# Altium PCB STM32F207VC.PcbDoc (part 2 of 16)
Units mm, origin at the board's own origin, x right, y up, seen from the top; angles counter-clockwise.
Board outline 99.19 x 99.95 mm, 2 copper layers (Top Layer, Bottom Layer); 127 components, 125 nets, 570 pads, 172 vias.
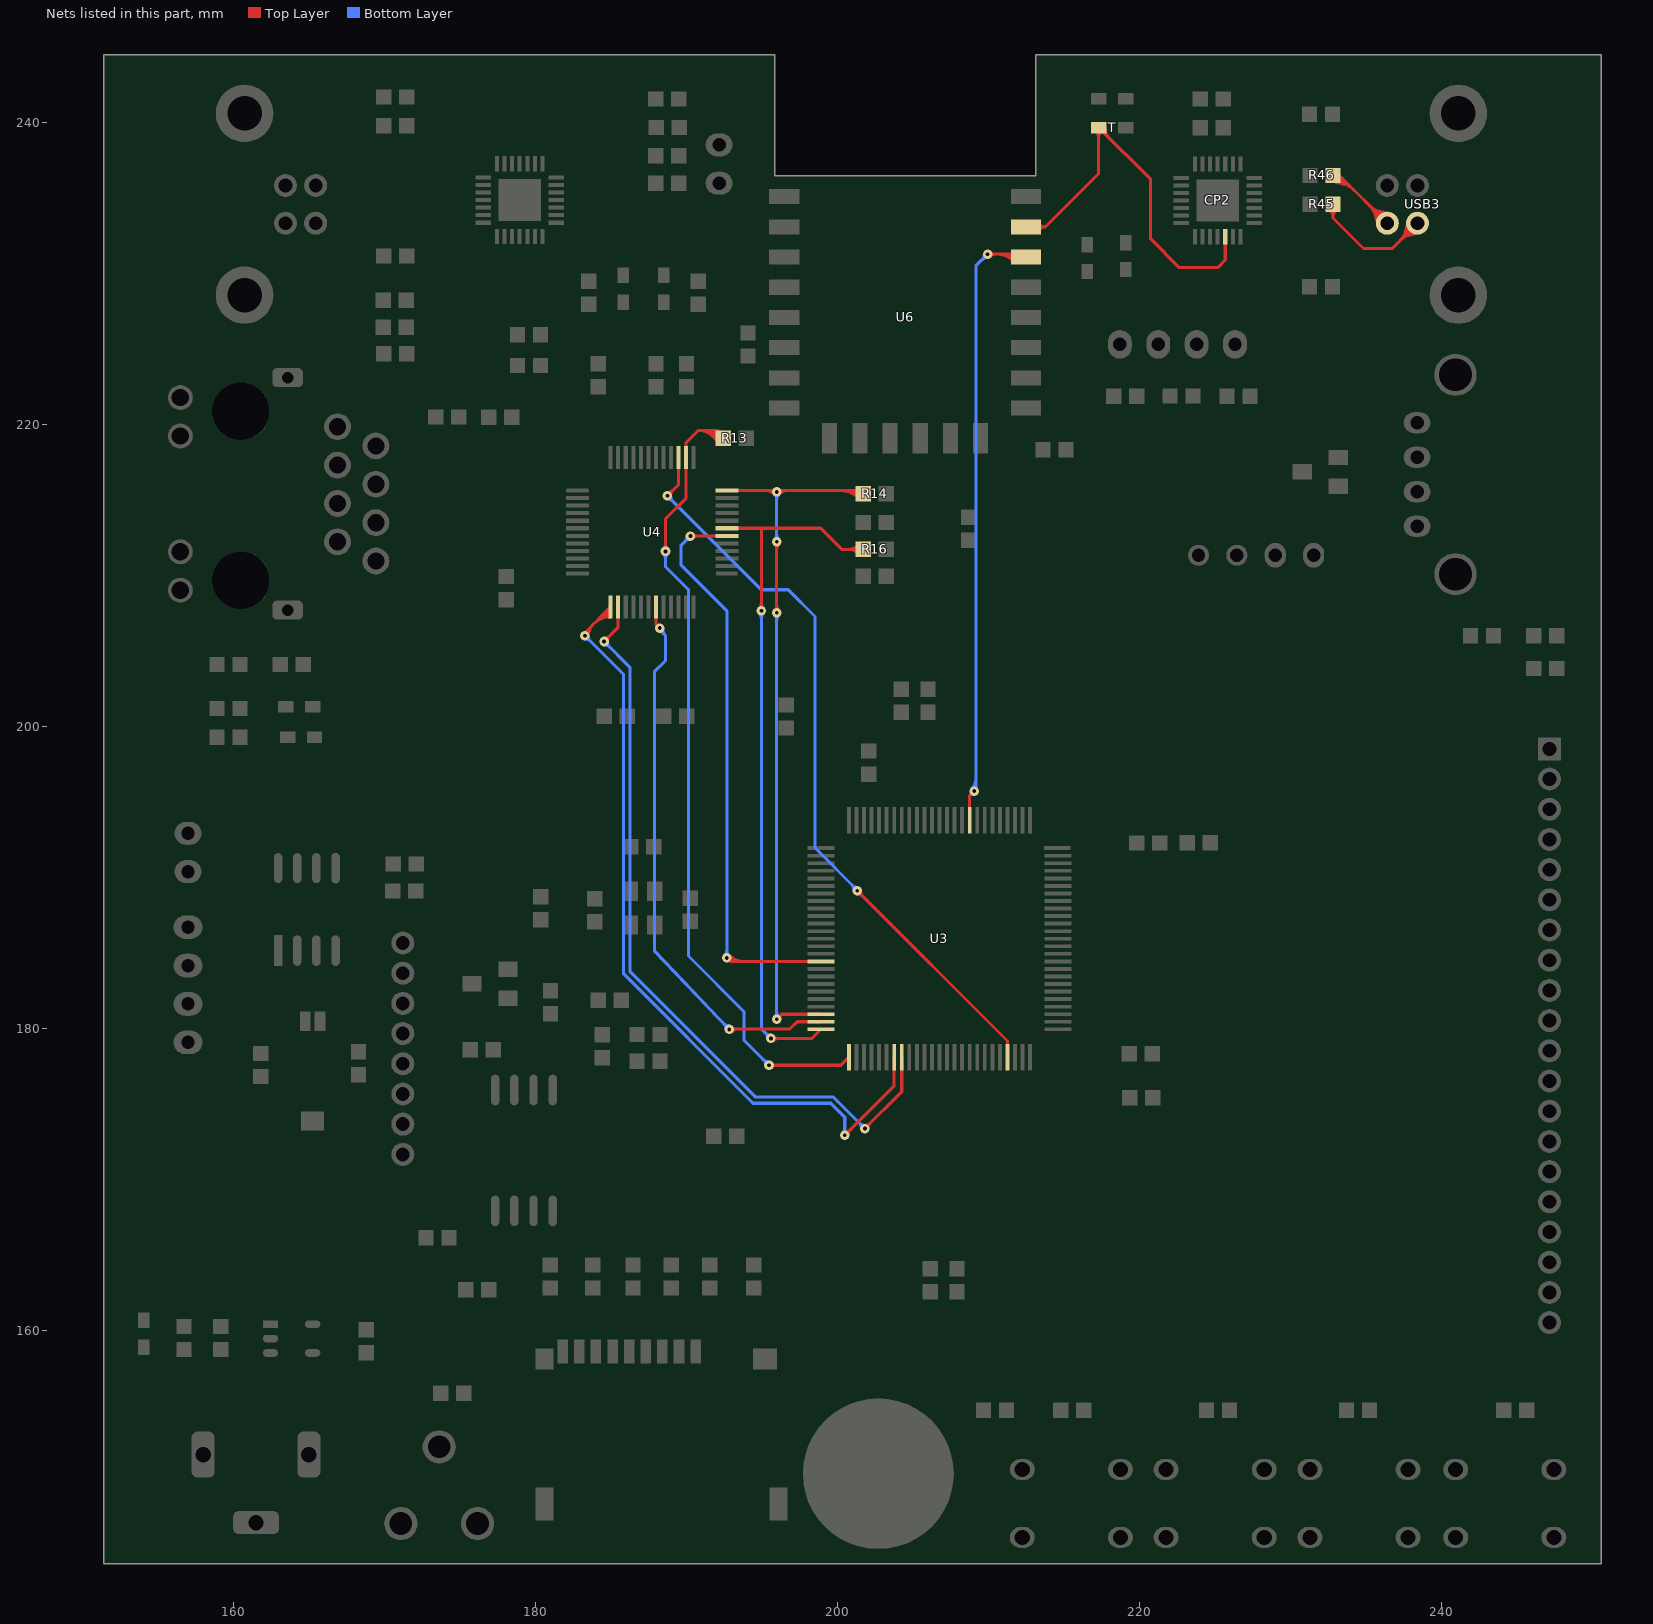
[diagram p2: the nets of this part, all layers, seen from the top]

## Via types
v1: diameter 0.635, hole 0.254, Top Layer to Bottom Layer, tented both sides, 152 vias
v2: diameter 0.635, hole 0.406, Top Layer to Bottom Layer, 18 vias
v3: diameter 1, hole 1, Top Layer to Bottom Layer, 2 vias

## Nets (pads, with @x,y where several pads share a name; then routed paths per layer and width w, separated by ;. In a path a pad name is that pad's centre, name@x,y a point inside that pad or via, vN(x,y) a via of type N, cw(c..) or ccw(c..) an arc to the next point about the centre after c; other vN are vias at no path point) (continued)
ESP_SPI_MCU_2: U3.84 U6.20 | length 64.7
  Top Layer w0.203: U3.84@208.745,193.778 208.745,195.41 ; v1(209.042,195.707) 208.745,195.41 ; v1(209.931,231.267) 212.278,231.267 U6.20@212.471,231.074 ; 208.745,195.41 cw(c208.958,195.197) v1@209.007,195.494 ; 208.745,195.41 ccw(c208.532,195.623) v1@208.829,195.672 ; 208.745,195.41 cw(c208.958,195.197) v1@209.007,195.494 ; 208.745,195.41 ccw(c208.532,195.623) v1@208.829,195.672 ; 208.745,195.41 ccw(c208.532,195.623) v1@208.829,195.672 ; 208.745,195.41 cw(c208.958,195.197) v1@209.007,195.494 ; 208.745,195.41 ccw(c208.532,195.623) v1@208.829,195.672 ; 208.745,195.41 cw(c208.958,195.197) v1@209.007,195.494 ; v1@210.084,231.114 cw(c210.452,230.746) 210.452,231.267 ; v1@210.084,231.114 cw(c210.452,230.746) 210.452,231.267 ; v1@210.084,231.114 cw(c210.452,230.746) 210.452,231.267 ; v1@210.084,231.114 cw(c210.452,230.746) 210.452,231.267 ; v1@210.084,231.42 ccw(c210.452,231.788) 210.452,231.267 ; v1@210.084,231.42 ccw(c210.452,231.788) 210.452,231.267 ; v1@210.084,231.42 ccw(c210.452,231.788) 210.452,231.267 ; v1@210.084,231.42 ccw(c210.452,231.788) 210.452,231.267 ; 210.543,231.267 cw(c210.543,229.646) U6.20@211.689,230.792 ; 210.543,231.267 cw(c210.543,229.646) U6.20@211.689,230.792 ; 210.543,231.267 cw(c210.543,229.646) U6.20@211.689,230.792 ; 210.543,231.267 cw(c210.543,229.646) U6.20@211.689,230.792 ; 211.033,231.267 cw(c211.033,230.137) U6.20@211.833,230.936 ; 211.033,231.267 cw(c211.033,230.137) U6.20@211.833,230.936 ; 211.033,231.267 cw(c211.033,230.137) U6.20@211.833,230.936 ; 211.033,231.267 cw(c211.033,230.137) U6.20@211.833,230.936 ; 211.438,231.164 cw(c211.279,230.889) U6.20@211.586,230.971 ; 211.438,231.164 cw(c211.279,230.889) U6.20@211.586,230.971 ; 211.438,231.164 cw(c211.279,230.889) U6.20@211.586,230.971 ; 211.438,231.164 cw(c211.279,230.889) U6.20@211.586,230.971 ; 211.438,231.164 cw(c211.279,230.889) U6.20@211.586,230.971 ; 211.438,231.164 cw(c211.279,230.889) U6.20@211.586,230.971 ; U6.20@211.475,231.267 ccw(c211.475,231.57) U6.20@211.689,231.356 ; U6.20@211.475,231.267 ccw(c211.475,231.57) U6.20@211.689,231.356 ; U6.20@211.475,231.267 ccw(c211.475,231.57) U6.20@211.689,231.356 ; U6.20@211.475,231.267 ccw(c211.475,231.57) U6.20@211.689,231.356
  Bottom Layer w0.203: v1(209.042,195.707) 209.156,195.821 209.156,230.492 v1(209.931,231.267) ; v1@208.889,195.86 ccw(c208.245,196.504) 209.156,196.504 ; v1@208.889,195.86 ccw(c208.245,196.504) 209.156,196.504 ; v1@208.889,195.86 ccw(c208.245,196.504) 209.156,196.504 ; v1@208.889,195.86 ccw(c208.245,196.504) 209.156,196.504 ; v1@209.033,195.716 ccw(c208.735,196.014) 209.156,196.014 ; v1@209.033,195.716 ccw(c208.735,196.014) 209.156,196.014 ; v1@209.033,195.716 ccw(c208.735,196.014) 209.156,196.014 ; v1@209.033,195.716 ccw(c208.735,196.014) 209.156,196.014 ; 209.562,230.898 cw(c209.931,230.53) v1@209.931,231.051 ; 209.562,230.898 ccw(c209.194,231.267) v1@209.715,231.267 ; 209.562,230.898 cw(c209.931,230.53) v1@209.931,231.051 ; 209.562,230.898 ccw(c209.194,231.267) v1@209.715,231.267 ; 209.562,230.898 ccw(c209.194,231.267) v1@209.715,231.267 ; 209.562,230.898 cw(c209.931,230.53) v1@209.931,231.051 ; 209.562,230.898 ccw(c209.194,231.267) v1@209.715,231.267 ; 209.562,230.898 cw(c209.931,230.53) v1@209.931,231.051
ESP_TXD: CP2.26 T.2@217.297,239.649 U6.21 | length 47
  Top Layer w0.203: U6.21@212.47,233.074 213.77,233.074 ; CP2.26@225.671,232.41 225.671,230.878 225.171,230.378 222.631,230.378 220.726,232.283 220.726,236.22 T.2@217.297,239.649 217.268,239.678 217.268,236.572 213.77,233.074 ; U6.21@213.289,232.834 cw(c213.77,232.471) 213.77,233.074 ; U6.21@213.289,232.834 cw(c213.77,232.471) 213.77,233.074 ; U6.21@213.289,232.834 cw(c213.77,232.471) 213.77,233.074 ; U6.21@213.289,232.834 cw(c213.77,232.471) 213.77,233.074 ; U6.21@213.289,233.314 ccw(c213.77,233.677) 213.77,233.074 ; U6.21@213.289,233.314 ccw(c213.77,233.677) 213.77,233.074 ; U6.21@213.289,233.314 ccw(c213.77,233.677) 213.77,233.074 ; U6.21@213.289,233.314 ccw(c213.77,233.677) 213.77,233.074 ; T.2@217.099,239.451 cw(c216.692,239.044) 217.268,239.044 ; T.2@217.099,239.451 cw(c216.692,239.044) 217.268,239.044 ; T.2@217.099,239.451 cw(c216.692,239.044) 217.268,239.044 ; T.2@217.099,239.451 cw(c216.692,239.044) 217.268,239.044 ; 217.268,238.905 cw(c218.041,238.905) T.2@217.495,239.451 ; 217.268,238.905 cw(c218.041,238.905) T.2@217.495,239.451 ; 217.268,238.905 cw(c218.041,238.905) T.2@217.495,239.451 ; 217.268,238.905 cw(c218.041,238.905) T.2@217.495,239.451 ; T.2@217.398,239.577 cw(c217.154,238.893) 217.856,239.081 ; T.2@217.398,239.577 cw(c217.154,238.893) 217.856,239.081 ; T.2@217.398,239.577 cw(c217.154,238.893) 217.856,239.081 ; T.2@217.398,239.577 cw(c217.154,238.893) 217.856,239.081 ; T.2@217.398,239.577 cw(c217.154,238.893) 217.856,239.081 ; T.2@217.398,239.577 cw(c217.154,238.893) 217.856,239.081 ; T.2@217.424,239.37 cw(c217.424,239.002) 217.684,239.262 ; T.2@217.424,239.37 cw(c217.424,239.002) 217.684,239.262 ; T.2@217.424,239.37 cw(c217.424,239.002) 217.684,239.262 ; T.2@217.424,239.37 cw(c217.424,239.002) 217.684,239.262 ; T.2@217.467,239.769 cw(c217.313,239.337) T.2@217.755,239.456 ; T.2@217.467,239.769 cw(c217.313,239.337) T.2@217.755,239.456 ; T.2@217.467,239.769 cw(c217.313,239.337) T.2@217.755,239.456 ; T.2@217.467,239.769 cw(c217.313,239.337) T.2@217.755,239.456 ; T.2@217.467,239.769 cw(c217.313,239.337) T.2@217.755,239.456 ; T.2@217.467,239.769 cw(c217.313,239.337) T.2@217.755,239.456 ; T.2@217.5,239.649 ccw(c217.991,239.649) T.2@217.644,239.302 ; T.2@217.5,239.649 ccw(c217.991,239.649) T.2@217.644,239.302 ; T.2@217.5,239.649 ccw(c217.991,239.649) T.2@217.644,239.302 ; T.2@217.5,239.649 ccw(c217.991,239.649) T.2@217.644,239.302 ; T.2@217.703,239.649 ccw(c218.685,239.649) 217.991,238.955 ; T.2@217.703,239.649 ccw(c218.685,239.649) 217.991,238.955 ; T.2@217.703,239.649 ccw(c218.685,239.649) 217.991,238.955 ; T.2@217.703,239.649 ccw(c218.685,239.649) 217.991,238.955
ESP_USB_UART_DM: R46.1 USB3.2 | length 87.3
  Top Layer w0.203: USB3.2@236.401,233.319 233.24,236.48 R46.1@232.808,236.48 ; R46.1@232.629,236.385 ccw(c233.332,236.757) R46.1@233.126,235.988 ; R46.1@232.629,236.385 ccw(c233.332,236.757) R46.1@233.126,235.988 ; R46.1@232.629,236.385 ccw(c233.332,236.757) R46.1@233.126,235.988 ; R46.1@232.629,236.385 ccw(c233.332,236.757) R46.1@233.126,235.988 ; R46.1@232.629,236.385 ccw(c233.332,236.757) R46.1@233.126,235.988 ; R46.1@232.629,236.385 ccw(c233.332,236.757) R46.1@233.126,235.988 ; R46.1@232.808,236.074 cw(c232.808,234.051) 234.239,235.481 ; R46.1@232.808,236.074 cw(c232.808,234.051) 234.239,235.481 ; R46.1@232.808,236.074 cw(c232.808,234.051) 234.239,235.481 ; R46.1@232.808,236.074 cw(c232.808,234.051) 234.239,235.481 ; R46.1@232.808,236.277 cw(c232.808,234.744) 233.892,235.828 ; R46.1@232.808,236.277 cw(c232.808,234.744) 233.892,235.828 ; R46.1@232.808,236.277 cw(c232.808,234.744) 233.892,235.828 ; R46.1@232.808,236.277 cw(c232.808,234.744) 233.892,235.828 ; R46.1@232.808,236.48 ccw(c233.894,237.054) 233.576,235.868 ; R46.1@232.808,236.48 cw(c232.808,235.438) 233.545,236.175 ; R46.1@232.808,236.48 ccw(c233.894,237.054) 233.576,235.868 ; R46.1@232.808,236.48 cw(c232.808,235.438) 233.545,236.175 ; R46.1@232.808,236.48 ccw(c233.894,237.054) 233.576,235.868 ; R46.1@232.808,236.48 cw(c232.808,235.438) 233.545,236.175 ; R46.1@232.808,236.48 ccw(c233.894,237.054) 233.576,235.868 ; R46.1@232.808,236.48 ccw(c233.894,237.054) 233.576,235.868 ; R46.1@232.808,236.48 ccw(c233.894,237.054) 233.576,235.868 ; R46.1@232.808,236.48 cw(c232.808,235.438) 233.545,236.175 ; R46.1@232.998,236.553 ccw(c233.716,236.83) 233.517,236.087 ; R46.1@232.998,236.553 ccw(c233.716,236.83) 233.517,236.087 ; R46.1@232.998,236.553 ccw(c233.716,236.83) 233.517,236.087 ; R46.1@232.998,236.553 ccw(c233.716,236.83) 233.517,236.087 ; R46.1@232.998,236.553 ccw(c233.716,236.83) 233.517,236.087 ; R46.1@232.998,236.553 ccw(c233.716,236.83) 233.517,236.087 ; R46.1@233.012,236.128 cw(c233.167,235.859) R46.1@233.248,236.159 ; R46.1@233.012,236.128 cw(c233.167,235.859) R46.1@233.248,236.159 ; R46.1@233.012,236.128 cw(c233.167,235.859) R46.1@233.248,236.159 ; R46.1@233.012,236.128 cw(c233.167,235.859) R46.1@233.248,236.159 ; R46.1@233.012,236.128 cw(c233.167,235.859) R46.1@233.248,236.159 ; R46.1@233.012,236.128 cw(c233.167,235.859) R46.1@233.248,236.159 ; R46.1@233.157,236.271 cw(c233.289,236.191) 233.329,236.34 ; R46.1@233.157,236.271 cw(c233.289,236.191) 233.329,236.34 ; R46.1@233.157,236.271 cw(c233.289,236.191) 233.329,236.34 ; R46.1@233.157,236.271 cw(c233.289,236.191) 233.329,236.34 ; R46.1@233.157,236.271 cw(c233.289,236.191) 233.329,236.34 ; R46.1@233.157,236.271 cw(c233.289,236.191) 233.329,236.34 ; R46.1@233.215,236.487 ccw(c233.369,236.49) 233.329,236.34 ; R46.1@233.215,236.487 ccw(c233.369,236.49) 233.329,236.34 ; R46.1@233.215,236.487 ccw(c233.369,236.49) 233.329,236.34 ; R46.1@233.215,236.487 ccw(c233.369,236.49) 233.329,236.34 ; R46.1@233.215,236.487 ccw(c233.369,236.49) 233.329,236.34 ; R46.1@233.215,236.487 ccw(c233.369,236.49) 233.329,236.34 ; 235.274,234.446 cw(c234.146,233.319) USB3.2@235.741,233.319 ; 235.274,234.446 ccw(c236.401,235.574) USB3.2@236.401,233.979 ; 235.274,234.446 cw(c234.146,233.319) USB3.2@235.741,233.319 ; 235.274,234.446 ccw(c236.401,235.574) USB3.2@236.401,233.979 ; 235.274,234.446 ccw(c236.401,235.574) USB3.2@236.401,233.979 ; 235.274,234.446 cw(c234.146,233.319) USB3.2@235.741,233.319 ; 235.274,234.446 ccw(c236.401,235.574) USB3.2@236.401,233.979 ; 235.274,234.446 cw(c234.146,233.319) USB3.2@235.741,233.319 ; 235.581,233.913 ccw(c236.577,234.179) USB3.2@236.37,233.17 ; 235.581,233.913 ccw(c236.577,234.179) USB3.2@236.37,233.17 ; 235.581,233.913 ccw(c236.577,234.179) USB3.2@236.37,233.17 ; 235.581,233.913 ccw(c236.577,234.179) USB3.2@236.37,233.17 ; 235.581,233.913 ccw(c236.577,234.179) USB3.2@236.37,233.17 ; 235.581,233.913 ccw(c236.577,234.179) USB3.2@236.37,233.17 ; 235.621,234.099 cw(c234.84,233.319) USB3.2@235.944,233.319 ; 235.621,234.099 ccw(c236.401,234.88) USB3.2@236.401,233.776 ; 235.621,234.099 cw(c234.84,233.319) USB3.2@235.944,233.319 ; 235.621,234.099 ccw(c236.401,234.88) USB3.2@236.401,233.776 ; 235.621,234.099 ccw(c236.401,234.88) USB3.2@236.401,233.776 ; 235.621,234.099 cw(c234.84,233.319) USB3.2@235.944,233.319 ; 235.621,234.099 ccw(c236.401,234.88) USB3.2@236.401,233.776 ; 235.621,234.099 cw(c234.84,233.319) USB3.2@235.944,233.319 ; 235.667,233.595 ccw(c236.503,233.819) USB3.2@236.33,232.97 ; 235.667,233.595 ccw(c236.503,233.819) USB3.2@236.33,232.97 ; 235.667,233.595 ccw(c236.503,233.819) USB3.2@236.33,232.97 ; 235.667,233.595 ccw(c236.503,233.819) USB3.2@236.33,232.97 ; 235.667,233.595 ccw(c236.503,233.819) USB3.2@236.33,232.97 ; 235.667,233.595 ccw(c236.503,233.819) USB3.2@236.33,232.97 ; 235.806,233.832 ccw(c236.409,233.994) USB3.2@236.402,233.37 ; 235.806,233.832 ccw(c236.409,233.994) USB3.2@236.402,233.37 ; 235.806,233.832 ccw(c236.409,233.994) USB3.2@236.402,233.37 ; 235.806,233.832 ccw(c236.409,233.994) USB3.2@236.402,233.37 ; 235.806,233.832 ccw(c236.409,233.994) USB3.2@236.402,233.37 ; 235.806,233.832 ccw(c236.409,233.994) USB3.2@236.402,233.37 ; 235.807,234.138 cw(c235.54,233.143) USB3.2@236.55,233.349 ; 235.807,234.138 cw(c235.54,233.143) USB3.2@236.55,233.349 ; 235.807,234.138 cw(c235.54,233.143) USB3.2@236.55,233.349 ; 235.807,234.138 cw(c235.54,233.143) USB3.2@236.55,233.349 ; 235.807,234.138 cw(c235.54,233.143) USB3.2@236.55,233.349 ; 235.888,233.914 cw(c235.726,233.311) USB3.2@236.35,233.318 ; 235.888,233.914 cw(c235.726,233.311) USB3.2@236.35,233.318 ; 235.888,233.914 cw(c235.726,233.311) USB3.2@236.35,233.318 ; 235.888,233.914 cw(c235.726,233.311) USB3.2@236.35,233.318 ; 235.888,233.914 cw(c235.726,233.311) USB3.2@236.35,233.318 ; 235.888,233.914 cw(c235.726,233.311) USB3.2@236.35,233.318 ; 236.125,234.053 cw(c235.901,233.216) USB3.2@236.749,233.39 ; 236.125,234.053 cw(c235.901,233.216) USB3.2@236.749,233.39 ; 236.125,234.053 cw(c235.901,233.216) USB3.2@236.749,233.39 ; 236.125,234.053 cw(c235.901,233.216) USB3.2@236.749,233.39 ; 236.125,234.053 cw(c235.901,233.216) USB3.2@236.749,233.39
ESP_USB_UART_DP: R45.1 USB3.3 | length 65.4
  Top Layer w0.203: R45.1@232.808,234.575 232.808,233.663 ; USB3.3@238.401,233.319 236.73,231.648 234.823,231.648 232.808,233.663 ; R45.1@232.537,234.273 cw(c231.988,233.663) 232.808,233.663 ; R45.1@232.537,234.273 cw(c231.988,233.663) 232.808,233.663 ; R45.1@232.537,234.273 cw(c231.988,233.663) 232.808,233.663 ; R45.1@232.537,234.273 cw(c231.988,233.663) 232.808,233.663 ; 232.808,233.663 cw(c233.629,233.663) R45.1@233.08,234.273 ; 232.808,233.663 cw(c233.629,233.663) R45.1@233.08,234.273 ; 232.808,233.663 cw(c233.629,233.663) R45.1@233.08,234.273 ; 232.808,233.663 cw(c233.629,233.663) R45.1@233.08,234.273 ; 237.274,232.191 cw(c238.401,231.064) USB3.3@238.401,232.658 ; 237.274,232.191 ccw(c236.146,233.319) USB3.3@237.741,233.319 ; 237.274,232.191 cw(c238.401,231.064) USB3.3@238.401,232.658 ; 237.274,232.191 ccw(c236.146,233.319) USB3.3@237.741,233.319 ; 237.274,232.191 ccw(c236.146,233.319) USB3.3@237.741,233.319 ; 237.274,232.191 cw(c238.401,231.064) USB3.3@238.401,232.658 ; 237.274,232.191 ccw(c236.146,233.319) USB3.3@237.741,233.319 ; 237.274,232.191 cw(c238.401,231.064) USB3.3@238.401,232.658 ; 237.581,232.725 cw(c238.577,232.458) USB3.3@238.37,233.468 ; 237.581,232.725 cw(c238.577,232.458) USB3.3@238.37,233.468 ; 237.581,232.725 cw(c238.577,232.458) USB3.3@238.37,233.468 ; 237.581,232.725 cw(c238.577,232.458) USB3.3@238.37,233.468 ; 237.581,232.725 cw(c238.577,232.458) USB3.3@238.37,233.468 ; 237.581,232.725 cw(c238.577,232.458) USB3.3@238.37,233.468 ; 237.621,232.538 cw(c238.401,231.758) USB3.3@238.401,232.862 ; 237.621,232.538 ccw(c236.84,233.319) USB3.3@237.944,233.319 ; 237.621,232.538 cw(c238.401,231.758) USB3.3@238.401,232.862 ; 237.621,232.538 ccw(c236.84,233.319) USB3.3@237.944,233.319 ; 237.621,232.538 ccw(c236.84,233.319) USB3.3@237.944,233.319 ; 237.621,232.538 cw(c238.401,231.758) USB3.3@238.401,232.862 ; 237.621,232.538 ccw(c236.84,233.319) USB3.3@237.944,233.319 ; 237.621,232.538 cw(c238.401,231.758) USB3.3@238.401,232.862 ; 237.667,233.043 cw(c238.503,232.818) USB3.3@238.33,233.667 ; 237.667,233.043 cw(c238.503,232.818) USB3.3@238.33,233.667 ; 237.667,233.043 cw(c238.503,232.818) USB3.3@238.33,233.667 ; 237.667,233.043 cw(c238.503,232.818) USB3.3@238.33,233.667 ; 237.667,233.043 cw(c238.503,232.818) USB3.3@238.33,233.667 ; 237.667,233.043 cw(c238.503,232.818) USB3.3@238.33,233.667 ; 237.806,232.805 cw(c238.409,232.644) USB3.3@238.402,233.268 ; 237.806,232.805 cw(c238.409,232.644) USB3.3@238.402,233.268 ; 237.806,232.805 cw(c238.409,232.644) USB3.3@238.402,233.268 ; 237.806,232.805 cw(c238.409,232.644) USB3.3@238.402,233.268 ; 237.806,232.805 cw(c238.409,232.644) USB3.3@238.402,233.268 ; 237.806,232.805 cw(c238.409,232.644) USB3.3@238.402,233.268 ; 237.807,232.499 ccw(c237.54,233.495) USB3.3@238.55,233.288 ; 237.807,232.499 ccw(c237.54,233.495) USB3.3@238.55,233.288 ; 237.807,232.499 ccw(c237.54,233.495) USB3.3@238.55,233.288 ; 237.807,232.499 ccw(c237.54,233.495) USB3.3@238.55,233.288 ; 237.807,232.499 ccw(c237.54,233.495) USB3.3@238.55,233.288 ; 237.807,232.499 ccw(c237.54,233.495) USB3.3@238.55,233.288 ; 237.888,232.724 ccw(c237.726,233.327) USB3.3@238.35,233.319 ; 237.888,232.724 ccw(c237.726,233.327) USB3.3@238.35,233.319 ; 237.888,232.724 ccw(c237.726,233.327) USB3.3@238.35,233.319 ; 237.888,232.724 ccw(c237.726,233.327) USB3.3@238.35,233.319 ; 237.888,232.724 ccw(c237.726,233.327) USB3.3@238.35,233.319 ; 237.888,232.724 ccw(c237.726,233.327) USB3.3@238.35,233.319 ; 238.125,232.584 ccw(c237.901,233.421) USB3.3@238.749,233.247 ; 238.125,232.584 ccw(c237.901,233.421) USB3.3@238.749,233.247 ; 238.125,232.584 ccw(c237.901,233.421) USB3.3@238.749,233.247 ; 238.125,232.584 ccw(c237.901,233.421) USB3.3@238.749,233.247 ; 238.125,232.584 ccw(c237.901,233.421) USB3.3@238.749,233.247 ; 238.125,232.584 ccw(c237.901,233.421) USB3.3@238.749,233.247
ETH_COL: R13.2 U3.26 U4.38 | length 102.4
  Top Layer w0.203: v1(188.595,211.582) 188.595,213.741 189.965,215.111 U4.38@189.965,217.815 189.965,218.794 190.76,219.589 ; v1(195.453,177.546) 200.213,177.546 U3.26@200.745,178.078 ; v1@188.442,211.735 ccw(c188.074,212.103) 188.595,212.103 ; v1@188.442,211.735 ccw(c188.074,212.103) 188.595,212.103 ; v1@188.442,211.735 ccw(c188.074,212.103) 188.595,212.103 ; v1@188.442,211.735 ccw(c188.074,212.103) 188.595,212.103 ; 188.595,212.103 ccw(c189.116,212.103) v1@188.748,211.735 ; 188.595,212.103 ccw(c189.116,212.103) v1@188.748,211.735 ; 188.595,212.103 ccw(c189.116,212.103) v1@188.748,211.735 ; 188.595,212.103 ccw(c189.116,212.103) v1@188.748,211.735 ; 190.76,219.589 cw(c190.76,218.027) R13.2@192.079,218.863 ; 190.76,219.589 cw(c190.76,218.027) R13.2@192.079,218.863 ; 190.76,219.589 cw(c190.76,218.027) R13.2@192.079,218.863 ; 190.76,219.589 cw(c190.76,218.027) R13.2@192.079,218.863 ; 190.76,219.589 191.914,219.589 R13.2@192.422,219.081 ; 191.129,219.589 cw(c191.129,218.261) R13.2@192.251,218.972 ; 191.129,219.589 cw(c191.129,218.261) R13.2@192.251,218.972 ; 191.129,219.589 cw(c191.129,218.261) R13.2@192.251,218.972 ; 191.129,219.589 cw(c191.129,218.261) R13.2@192.251,218.972 ; 191.499,219.589 cw(c191.499,218.495) R13.2@192.422,219.081 ; 191.499,219.589 cw(c191.499,218.495) R13.2@192.422,219.081 ; 191.499,219.589 cw(c191.499,218.495) R13.2@192.422,219.081 ; 191.499,219.589 cw(c191.499,218.495) R13.2@192.422,219.081 ; 191.508,219.389 ccw(c191.833,219.741) R13.2@192.152,219.384 ; 191.508,219.389 ccw(c191.833,219.741) R13.2@192.152,219.384 ; 191.508,219.389 ccw(c191.833,219.741) R13.2@192.152,219.384 ; 191.508,219.389 ccw(c191.833,219.741) R13.2@192.152,219.384 ; 191.508,219.389 ccw(c191.833,219.741) R13.2@192.152,219.384 ; 191.673,219.237 ccw(c191.983,219.573) R13.2@192.287,219.232 ; 191.673,219.237 ccw(c191.983,219.573) R13.2@192.287,219.232 ; 191.673,219.237 ccw(c191.983,219.573) R13.2@192.287,219.232 ; 191.673,219.237 ccw(c191.983,219.573) R13.2@192.287,219.232 ; 191.673,219.237 ccw(c191.983,219.573) R13.2@192.287,219.232 ; 191.757,219.427 ccw(c191.98,219.669) R13.2@192.178,219.406 ; 191.757,219.427 ccw(c191.98,219.669) R13.2@192.178,219.406 ; 191.757,219.427 ccw(c191.98,219.669) R13.2@192.178,219.406 ; 191.757,219.427 ccw(c191.98,219.669) R13.2@192.178,219.406 ; 191.757,219.427 ccw(c191.98,219.669) R13.2@192.178,219.406 ; 191.757,219.427 ccw(c191.98,219.669) R13.2@192.178,219.406 ; 191.838,219.085 ccw(c192.133,219.405) R13.2@192.422,219.081 ; 191.838,219.085 ccw(c192.133,219.405) R13.2@192.422,219.081 ; 191.838,219.085 ccw(c192.133,219.405) R13.2@192.422,219.081 ; 191.838,219.085 ccw(c192.133,219.405) R13.2@192.422,219.081 ; 191.838,219.085 ccw(c192.133,219.405) R13.2@192.422,219.081 ; 191.868,219.589 cw(c191.868,218.73) R13.2@192.594,219.19 ; 191.868,219.589 cw(c191.868,218.73) R13.2@192.594,219.19 ; 191.868,219.589 cw(c191.868,218.73) R13.2@192.594,219.19 ; 191.868,219.589 cw(c191.868,218.73) R13.2@192.594,219.19 ; R13.2@191.916,219.28 cw(c191.706,219.051) R13.2@192.016,219.064 ; R13.2@191.916,219.28 cw(c191.706,219.051) R13.2@192.016,219.064 ; R13.2@191.916,219.28 cw(c191.706,219.051) R13.2@192.016,219.064 ; R13.2@191.916,219.28 cw(c191.706,219.051) R13.2@192.016,219.064 ; R13.2@191.916,219.28 cw(c191.706,219.051) R13.2@192.016,219.064 ; R13.2@191.916,219.28 cw(c191.706,219.051) R13.2@192.016,219.064 ; R13.2@191.937,219.261 ccw(c192.129,219.471) R13.2@192.3,219.243 ; R13.2@191.937,219.261 ccw(c192.129,219.471) R13.2@192.3,219.243 ; R13.2@191.937,219.261 ccw(c192.129,219.471) R13.2@192.3,219.243 ; R13.2@191.937,219.261 ccw(c192.129,219.471) R13.2@192.3,219.243 ; R13.2@191.937,219.261 ccw(c192.129,219.471) R13.2@192.3,219.243 ; R13.2@191.937,219.261 ccw(c192.129,219.471) R13.2@192.3,219.243 ; v1@195.606,177.393 cw(c195.974,177.025) 195.974,177.546 ; v1@195.606,177.393 cw(c195.974,177.025) 195.974,177.546 ; v1@195.606,177.393 cw(c195.974,177.025) 195.974,177.546 ; v1@195.606,177.393 cw(c195.974,177.025) 195.974,177.546 ; v1@195.606,177.699 ccw(c195.974,178.067) 195.974,177.546 ; v1@195.606,177.699 ccw(c195.974,178.067) 195.974,177.546 ; v1@195.606,177.699 ccw(c195.974,178.067) 195.974,177.546 ; v1@195.606,177.699 ccw(c195.974,178.067) 195.974,177.546
  Bottom Layer w0.203: v1(188.595,211.582) 188.595,210.566 190.119,209.042 190.119,184.785 193.802,181.102 193.802,179.197 v1(195.453,177.546) ; v1@188.442,211.429 cw(c188.074,211.061) 188.595,211.061 ; v1@188.442,211.429 cw(c188.074,211.061) 188.595,211.061 ; v1@188.442,211.429 cw(c188.074,211.061) 188.595,211.061 ; v1@188.442,211.429 cw(c188.074,211.061) 188.595,211.061 ; 188.595,211.061 cw(c189.116,211.061) v1@188.748,211.429 ; 188.595,211.061 cw(c189.116,211.061) v1@188.748,211.429 ; 188.595,211.061 cw(c189.116,211.061) v1@188.748,211.429 ; 188.595,211.061 cw(c189.116,211.061) v1@188.748,211.429 ; 195.084,177.915 cw(c194.716,177.546) v1@195.237,177.546 ; 195.084,177.915 ccw(c195.453,178.283) v1@195.453,177.762 ; 195.084,177.915 cw(c194.716,177.546) v1@195.237,177.546 ; 195.084,177.915 ccw(c195.453,178.283) v1@195.453,177.762 ; 195.084,177.915 ccw(c195.453,178.283) v1@195.453,177.762 ; 195.084,177.915 cw(c194.716,177.546) v1@195.237,177.546 ; 195.084,177.915 ccw(c195.453,178.283) v1@195.453,177.762 ; 195.084,177.915 cw(c194.716,177.546) v1@195.237,177.546